# KiCad board panel.kicad_pcb (continued)
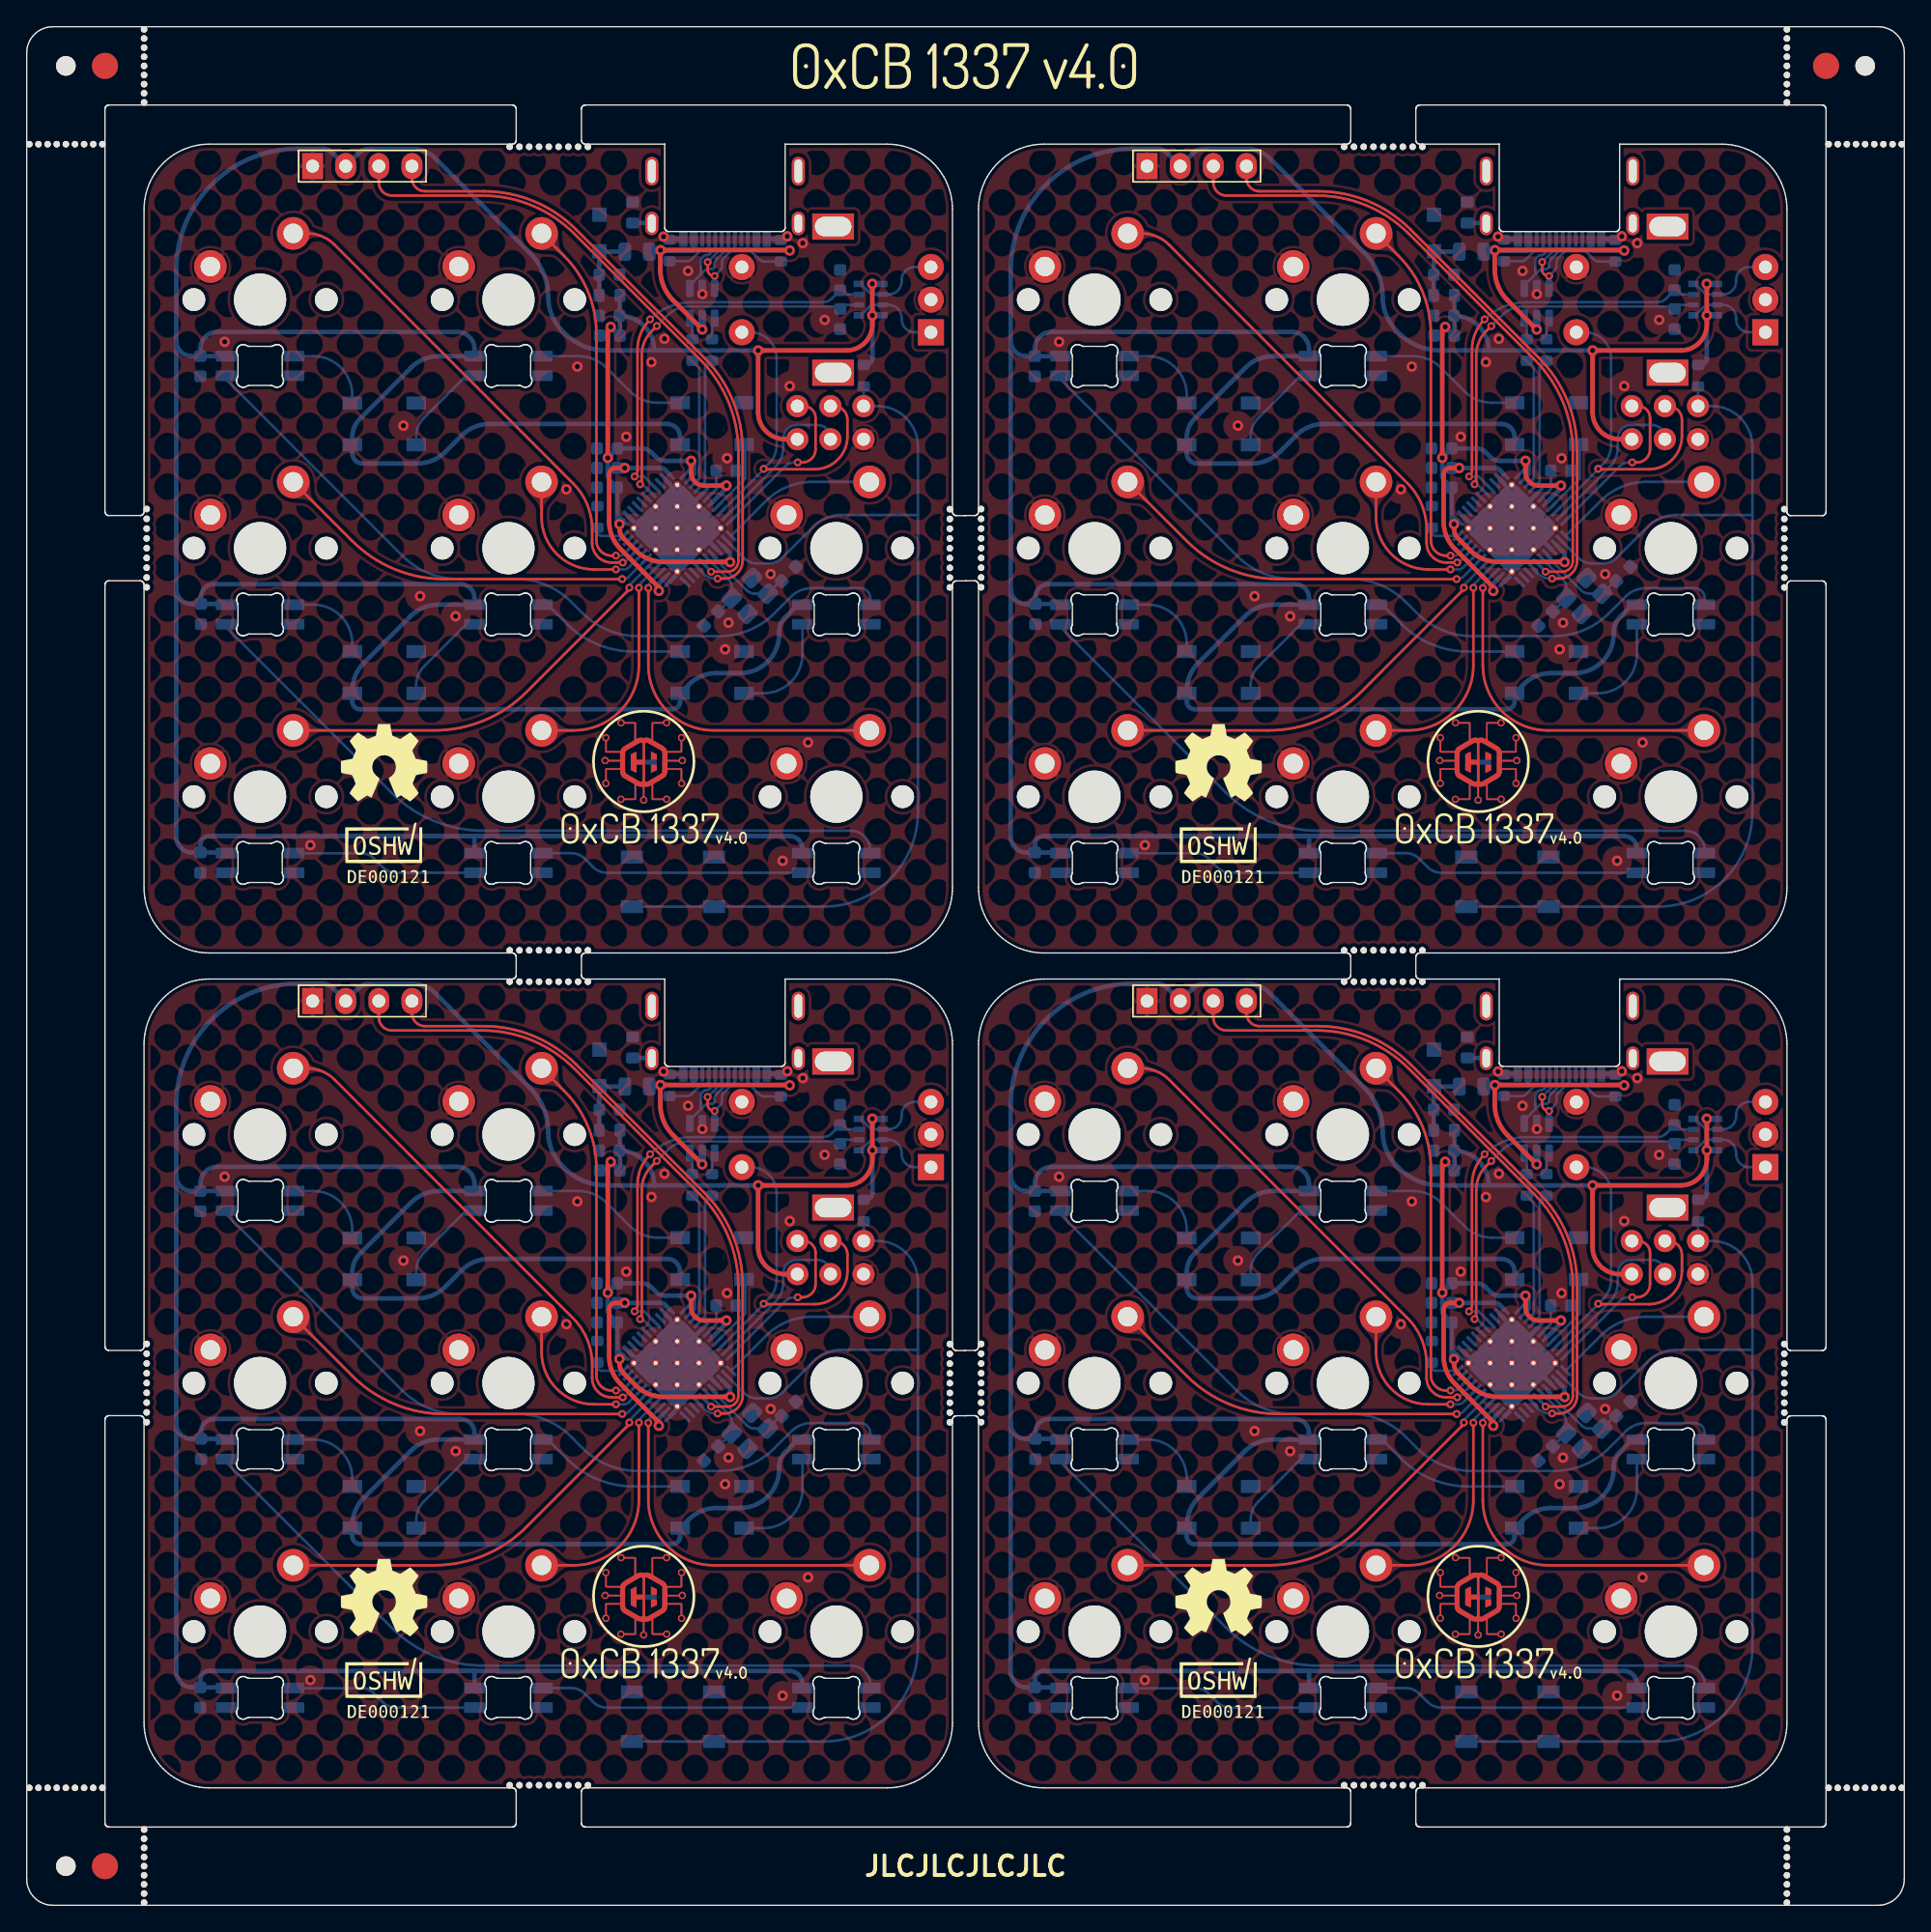
[diagram p0: board, top side]
## Routing (per net, layer and track width the routed paths; a pad name or vN(x,y) marks a point on that pad's centre or on a via; arc(x,y) is an arc through that point) (continued)
Board_1-/MCU+: length 10.2
  Bottom w0.2: R3#3.1 116.03,117.87 116.03,109.15 115.55,108.67 U3#3.4
Board_1-/MCU-: length 9.8
  Bottom w0.2: R4#2.1 115.58,117.87 115.58,109.34 115.23,108.99 U3#3.3
Board_1-D+: length 1.7
  Bottom w0.2: U2#3.4 116.56,121.46 R3#3.2
Board_1-D-: length 1.7
  Bottom w0.2: U2#3.6 115.05,121.47 R4#2.2
Board_1-EA: length 29.9
  Top w0.2: v2(111.04,108.93) 111.17,109.06 111.17,118.84 arc(111.37,119.82) 111.92,120.65 v2(112.33,121.06)
  Bottom w0.2: RN1#4.2 126.7,122.68 C4.1 126.35,122.41 arc(126.19,122.52) 125.99,122.55 114.75,122.55 arc(113.89,122.38) 113.17,121.9 v2(112.33,121.06) ; v2(111.04,108.93) 111.23,108.93 U3#3.40
Board_1-EB: length 31.2
  Top w0.2: v2(110.62,109.53) 110.7,109.6 arc(110.8,109.76) 110.84,109.96 110.84,119.23 arc(111.09,120.5) v2(111.81,121.57)
  Bottom w0.2: RN1#4.3 126.71,123.48 C2#4.1 125.73,123.15 arc(125.42,122.95) 125.07,122.88 114.97,122.88 arc(113.26,122.54) v2(111.81,121.57) ; v2(110.62,109.53) 111.35,109.53 U3#3.41
Board_1-GND: length 22.2
  Bottom w0.35: U3#3.5 113.89,106.27 U3#3.45 ; U3#3.23 113.3,101.44 113.89,102.03 U3#3.45 ; J1.A12 121.77,127.73 R1#3.1 ; U3#3.45 113.89,108.39 U3#3.43 ; U3#3.45 111.07,105.57 U3#3.35 ; U3#3.45 115.31,105.57 U3#3.15 ; R2.2 113.33,127.73 J1.A1
  vias: v1(79.18,119.85) v1(85.75,81.26) v1(92.89,113.42) v1(94.17,100.35) v1(96.9,98.81) v1(105.39,108.54) v1(106.23,117.95) v1(109.98,112.57) v1(111.91,118.29) v1(112.84,127.91) v1(112.91,120.08) v1(114.72,125.28) v1(115.82,123.51) v1(117.56,96.28) v1(117.71,110.93) v1(117.82,98.32) v1(121.05,102.05) v1(121.97,80.07) v1(122.33,127.93) v1(122.52,116.45) v1(123.52,127.41) v1(123.92,89.14) v1(125.2,121.53)
Board_1-MISO: length 13.2
  Top w0.2: v2(123.13,110.61) 123.5,110.61 arc(124.21,110.9) 124.5,111.61 124.5,114.02 arc(124.23,114.66) 123.6,114.92 J2.1
  Bottom w0.2: U3#3.11 122.18,110.31 arc(122.5,110.53) 122.88,110.61 v2(123.13,110.61)
Board_1-MOSI: length 12.5
  Bottom w0.2: U3#3.10 121.42,110.26 arc(121.86,110.93) 122.02,111.72 122.02,112.42 arc(122.33,113.16) 123.07,113.47 124.65,113.47 arc(125.35,113.18) 125.64,112.48 J2.4
Board_1-Net-(C1-Pad1): length 5.3
  Bottom w0.35: F1#2.2 107.96,126.76 D9#2.2 107.91,126.78 C1.1 107.91,123.43 FB2#2.1
Board_1-Net-(C9-Pad1): length 2.3
  Bottom w0.2: C9#3.1 116.89,108.56 U3#3.6
Board_1-Net-(C11-Pad2): length 7
  Bottom w0.2: C11.2 121.8,101.51 Y1#2.1 119.86,100.54 arc(119.51,100.61) 119.2,100.82 116.61,103.41 U3#3.16
Board_1-Net-(C13-Pad2): length 5.2
  Bottom w0.2: U3#3.17 117.84,101.62 arc(118.01,101.36) 118.08,101.05 Y1#2.3 117.06,99.17 C13#3.2
Board_1-Net-(D1-Pad2): length 59.2
  Bottom w0.2: D5#3.4 128.7,100.2 arc(128.47,100.74) 127.92,100.97 124.18,100.97 arc(123.34,100.8) 122.63,100.32 121.36,99.05 arc(119.41,97.75) 117.11,97.29 110.87,97.29 arc(108.57,97.75) 106.62,99.05 105.75,99.92 arc(103.81,101.22) 101.51,101.67 97.07,101.67 arc(94.77,102.13) 92.83,103.43 79.3,116.96 D1#4.2
Board_1-Net-(D1-Pad4): length 6.8
  Bottom w0.2: D1#4.4 85.97,118.75 arc(88.09,117.87) 88.97,115.75 D11.2
Board_1-Net-(D3-Pad2): length 56.7
  Bottom w0.2: D3#2.2 79.3,97.97 91.96,85.3 arc(95.21,83.13) 99.03,82.37 127.2,82.37 arc(128.26,81.93) 128.7,80.87 D8#2.4
Board_1-Net-(D6-Pad4): length 14.4
  Bottom w0.2: D6#2.4 84.51,80.64 89.73,80.64 arc(90.2,80.54) 90.59,80.28 91.28,79.59 arc(91.77,79.27) 92.34,79.15 D7#2.2
Board_1-Net-(D7-Pad4): length 20.4
  Bottom w0.2: D8#2.2 108.49,79.15 arc(107.92,79.27) 107.43,79.59 106.81,80.21 arc(106.32,80.54) 105.75,80.65 D7#2.4
Board_1-Net-(D10-Pad2): length 11.8
  Bottom w0.2: D10#4.2 112.39,115.18 arc(111.24,115.4) 110.27,116.05 108.45,117.87 arc(107.47,118.52) 106.33,118.75 D2.4
Board_1-Net-(D11-Pad4): length 7.4
  Bottom w0.2: D2.2 97.7,117.25 94.46,114.01 arc(94.02,113.36) 93.87,112.59 D11.4
Board_1-Net-(D12-Pad2): length 11.7
  Bottom w0.2: D4#2.4 103.95,99.7 105.43,98.22 arc(107.77,96.66) 110.53,96.11 D12#4.2
Board_1-Net-(D12-Pad4): length 8.5
  Bottom w0.2: D5#3.2 123.5,95.91 arc(122.62,93.79) 120.5,92.91 D12#4.4
Board_1-Net-(D13-Pad2): length 6.8
  Bottom w0.2: D3#2.4 85.97,99.7 arc(88.09,98.82) 88.97,96.7 D13#2.2
Board_1-Net-(D13-Pad4): length 7.4
  Bottom w0.2: D4#2.2 97.71,98.2 94.46,94.95 arc(94.02,94.3) 93.87,93.53 D13#2.4
Board_1-Net-(FB1-Pad2): length 1.5
  Bottom w0.35: FB1#2.2 111.91,128.96 J1.S1
Board_1-Net-(J1-PadA5): length 4.1
  Bottom w0.2: R2.1 114.64,126.03 arc(114.83,126.07) 114.99,126.18 115.59,126.78 arc(115.76,126.89) 115.95,126.92 116.19,126.92 116.31,127.05 J1.A5
Board_1-Net-(J1-PadA6): length 8
  Top w0.2: v2(116.76,124.89) 116.72,124.89 arc(116.37,125.04) 116.22,125.39 v2(116.22,125.97)
  Bottom w0.2: J1.A6 117.31,127.05 v2(116.22,125.97) ; U2#3.3 v2(116.76,124.89) 117.17,125.31 arc(117.28,125.47) 117.32,125.66 117.32,125.93 arc(117.36,126.12) 117.47,126.28 118.31,127.12 J1.B6
Board_1-Net-(J1-PadA7): length 8.8
  Bottom w0.2: 114.86,124.18 U2#3.1 114.86,124.18 ; 114.86,124.18 115.97,125.29 arc(116.13,125.4) 116.32,125.44 116.55,125.44 arc(116.69,125.5) 116.75,125.64 116.75,125.82 arc(116.79,126.01) 116.9,126.18 117.81,127.09 J1.A7 ; 115.7,125.02 115.7,126.06 arc(115.72,126.18) 115.78,126.27 115.92,126.41 arc(116.01,126.47) 116.13,126.49 116.16,126.49 arc(116.28,126.52) 116.38,126.58 116.81,127.01 J1.B7
Board_1-Net-(J1-PadB5): length 3.6
  Bottom w0.2: R1#3.2 120.56,126.01 arc(120.36,126.04) 120.2,126.15 119.31,127.05 J1.B5
Board_1-Net-(MX3-PadA): length 7.1
  Bottom w0.2: MX3#4.A 132.1,120.58 arc(131.39,120.88) 131.1,121.58 131.1,121.68 arc(130.81,122.39) 130.1,122.68 RN1#4.7 128.98,122.68 arc(128.79,122.64) 128.63,122.54 127.98,121.88 RN1#4.1
Board_1-Net-(MX3-PadB): length 7.1
  Bottom w0.2: RN1#4.4 127.98,124.28 128.63,123.63 arc(128.79,123.52) 128.98,123.48 RN1#4.6 130.1,123.48 arc(130.81,123.78) 131.1,124.48 131.1,124.58 arc(131.39,125.29) 132.1,125.58 MX3#4.B
Board_1-Net-(R6-Pad2): length 2.5
  Bottom w0.2: U3#3.33 108.08,104.97 arc(107.86,105.07) 107.76,105.29 R6#4.2
Board_1-RGB: length 5.7
  Bottom w0.2: U3#3.8 119.12,109.37 119.12,111.87 D10#4.4
Board_1-RST: length 78.2
  Bottom w0.2: 132.35,106.58 126.46,106.58 arc(125.31,106.35) 124.34,105.7 121.94,103.3 arc(121.45,102.97) 120.88,102.86 120.05,102.86 arc(119.48,102.97) 118.99,103.3 U3#3.13 ; R5.1 128.19,114.93 J2.5 129.24,114.92 arc(131.44,114.01) 132.35,111.81 132.35,83.8 arc(130.23,78.68) 125.1,76.55 SW1#3.2
Board_1-S1: length 39
  Top w0.2: MX1#4.2 85.5,128.16 arc(86.64,127.93) 87.62,127.28 105.9,109 arc(106.98,107.38) 107.36,105.47 107.36,104.43 arc(107.8,103.37) 108.86,102.93 109.71,102.93 v2(109.71,102.93)
  Bottom w0.2: v2(109.71,102.93) 109.85,102.93 U3#3.30
Board_1-S2: length 28.7
  Top w0.2: MX2#4.2 105.23,126.42 arc(107.05,123.69) 107.69,120.47 107.69,104.61 arc(108.03,103.8) 108.84,103.46 v2(109.2,103.46)
  Bottom w0.2: U3#3.31 109.81,103.61 arc(109.65,103.5) 109.46,103.46 v2(109.2,103.46)
Board_1-S3: length 28.2
  Top w0.2: J2.3 125.9,114.92 arc(126.64,114.62) 126.94,113.88 126.94,112.61 arc(126.2,110.82) 124.42,110.08 120.55,110.08 v2(120.52,110.11)
  Bottom w0.2: MX3#4.S2 119.51,120.58 arc(120.93,120) 121.51,118.58 121.51,111.93 arc(121.36,111.17) 120.93,110.52 v2(120.52,110.11) 120.52,110.07 U3#3.9
Board_1-S4: length 30.4
  Top w0.2: v2(109.67,101.66) 96.03,101.66 arc(92.2,102.42) 88.96,104.59 MX4.2
  Bottom w0.2: v2(109.67,101.66) 109.78,101.66 arc(109.97,101.7) 110.14,101.81 U3#3.28
Board_1-S5: length 13.1
  Top w0.2: v2(109.19,102.4) 109.19,102.4 107.49,102.4 arc(104.66,103.58) 103.49,106.41 MX5#4.2
  Bottom w0.2: v2(109.19,102.4) 109.82,102.4 arc(110.01,102.44) 110.17,102.55 U3#3.29
Board_1-S6: length 12.1
  Bottom w0.2: MX6#3.2 124.23,109.11 arc(122.32,108.73) 120.7,107.65 U3#3.12
Board_1-S7: length 32.5
  Top w0.2: MX7.2 95.25,90.06 arc(99.07,90.82) 102.32,92.99 110.22,100.89 v2(110.22,101.01)
  Bottom w0.2: U3#3.27 110.22,101.19 v2(110.22,101.01)
Board_1-S8: length 18.3
  Top w0.2: v2(110.95,101) 110.95,95.06 arc(109.48,91.53) 105.95,90.06 MX8#4.2
  Bottom w0.2: U3#3.26 111.1,101.35 arc(110.99,101.19) 110.95,101 v2(110.95,101)
Board_1-S9: length 27.3
  Top w0.2: MX9#3.2 116.68,90.06 arc(113.14,91.53) 111.68,95.06 v2(111.68,100.98)
  Bottom w0.2: v2(111.68,100.98) 111.68,101.02 arc(111.71,101.21) 111.82,101.37 U3#3.25
Board_1-SCL: length 50.9
  Top w0.2: U1#4.3 91,132.06 arc(91.3,131.35) 92,131.06 98.92,131.06 arc(102.75,130.3) 106,128.13 115.65,118.48 arc(117.82,115.23) 118.58,111.41 118.58,103.04 arc(118.34,102.47) 117.77,102.23 v2(116.49,102.23)
  Bottom w0.2: U3#3.18 115.9,102.81 v2(116.49,102.23)
Board_1-SDA: length 49.6
  Top w0.2: U1#4.4 93.54,132.39 arc(93.84,131.68) 94.54,131.39 99.06,131.39 arc(102.89,130.63) 106.13,128.46 115.98,118.61 arc(118.15,115.37) 118.91,111.54 118.91,103.09 arc(118.5,102.11) 117.52,101.7 116.99,101.7 v2(116.99,101.7)
  Bottom w0.2: U3#3.19 115.55,102.42 115.86,102.1 arc(116.31,101.8) 116.84,101.7 v2(116.99,101.7)
Board_1-VCC: length 403.2
  Top w0.35: v1(128.85,124.29) 128.85,121.88 v1(128.86,121.87) 128.86,121.19 arc(128.27,119.77) 126.86,119.19 v1(120.09,119.19) 120.09,114.46 arc(120.7,112.99) 122.17,112.38 J2.2 ; v1(117.66,108.83) 115.95,108.83 arc(115.24,109.12) 114.95,109.83 v1(114.95,110.73) ; v1(112.48,100.76) 112.48,101.03 109.54,103.97 arc(108.89,104.94) 108.66,106.09 108.66,109.68 arc(108.81,110.03) 109.16,110.18 v1(109.86,110.18) ; v1(109.46,105.88) 109.46,105.51 arc(109.54,105.13) 109.76,104.8 110.71,103.85 arc(111.68,103.2) 112.83,102.98 117.93,102.98 v1(117.95,102.96) ; v1(108.79,120.99) 108.56,120.77 v1(108.56,110.95)
  Bottom w0.25: v1(114.95,110.73) 115.21,110.46 115.21,109.71 U3#3.2
  Bottom w0.35: D7#2.1 98.35,81.97 97.03,81.97 ; C12#2.1 79.25,99.75 D3#2.1 ; C12#2.1 77.36,100.28 arc(77.65,100.98) 78.35,101.27 97.28,101.27 arc(98.03,100.96) 98.35,100.21 D4#2.1 95.56,99.7 arc(94.41,99.47) 93.44,98.82 89.85,95.23 arc(89.2,94.26) 88.97,93.11 D13#2.1 88.97,92.29 arc(89.15,91.86) 89.58,91.68 113.51,91.68 arc(113.94,91.86) 114.11,92.28 D12#4.1 114.78,93.57 arc(115.75,94.22) 116.9,94.45 118.71,94.45 arc(120.83,95.33) 121.71,97.45 121.71,97.65 arc(121.82,98.22) 122.15,98.71 123.14,99.7 D5#3.1 ; C12#2.1 76.64,99.75 arc(75.81,100.1) 75.47,100.93 ; v1(114.95,110.73) 112.96,110.73 arc(112.58,110.8) 112.25,111.02 111.89,111.38 arc(111.56,111.6) 111.18,111.68 C7#4.1 v1(108.56,110.95) 108.56,110.18 ; 97.03,81.97 78.02,81.97 arc(77.52,81.76) 77.31,81.26 C14#2.1 ; 97.03,81.97 122.5,81.97 arc(123.2,81.67) 123.5,80.97 D8#2.1 ; v1(128.85,124.29) 128.86,124.28 RN1#4.5 ; 108.56,110.18 108.56,109.58 arc(108.6,109.39) 108.71,109.23 109.26,108.68 C10.1 109.29,106.05 v1(109.46,105.88) 109.75,106.16 U3#3.34 ; 108.56,110.18 C8#4.1 v1(109.86,110.18) 112.61,110.18 arc(112.8,110.14) 112.96,110.03 113.3,109.69 U3#3.44 ; R5.2 128.36,118.08 arc(128.71,118.22) 128.86,118.58 v1(128.86,121.87) 129.62,121.87 RN1#4.8 ; v1(108.79,120.99) 109.46,120.33 C5#2.1 109.49,121.83 C3#3.1 ; C6#2.1 79.29,118.75 D1#4.1 ; C6#2.1 77.31,119.31 arc(77.69,120.23) 78.61,120.61 97.02,120.61 arc(97.96,120.22) 98.35,119.28 D2.1 95.6,118.75 arc(94.45,118.52) 93.48,117.87 89.56,113.95 arc(89.12,113.3) 88.97,112.53 D11.1 88.97,111.31 arc(89.2,110.75) 89.76,110.52 93.97,110.52 arc(95.12,110.75) 96.09,111.4 97.36,112.67 arc(98.33,113.32) 99.48,113.55 113.11,113.55 arc(113.82,113.26) 114.11,112.55 D10#4.1 ; C6#2.1 76.65,118.75 arc(75.81,119.1) 75.47,119.93 ; D6#2.1 79.25,80.7 C14#2.1 ; C14#2.1 76.67,80.7 arc(75.82,81.05) 75.47,81.91 75.47,100.93 ; v1(112.48,100.76) 112.48,101.11 arc(112.52,101.31) 112.62,101.47 U3#3.24 ; U3#3.14 117.8,103.78 arc(117.91,103.62) 117.95,103.43 v1(117.95,102.96) ; 75.47,100.93 75.47,119.93 ; v1(117.66,108.83) 117.66,108.63 116.61,107.57 U3#3.7 ; 75.47,119.93 75.47,125.33 arc(78.19,131.92) 84.78,134.65 86.72,134.65 arc(87.1,134.57) 87.43,134.35 U1#4.2 89.47,134.33 arc(89.8,134.54) 90.18,134.62 93.66,134.62 arc(94.56,134.44) 95.32,133.93 102.6,126.66 arc(103.63,125.11) 103.99,123.28 arc(104.27,121.87) 105.07,120.68 105.27,120.49 arc(106.71,119.52) 108.4,119.19 112.13,119.19 ; 112.13,119.19 v1(120.09,119.19) ; 112.13,119.19 arc(111.35,121.07) C3#3.1 ; C3#3.1 109.5,121.89 FB2#2.2
Board_2-/MCU+: length 10.2
  Bottom w0.2: R3.1 52.03,53.87 52.03,45.15 51.55,44.67 U3#4.4
Board_2-/MCU-: length 9.8
  Bottom w0.2: U3#4.3 51.23,44.99 51.58,45.34 51.58,53.87 R4#4.1
Board_2-D+: length 1.7
  Bottom w0.2: U2.4 52.56,57.46 R3.2
Board_2-D-: length 1.7
  Bottom w0.2: U2.6 51.05,57.47 R4#4.2
Board_2-EA: length 29.9
  Top w0.2: v2(48.33,57.06) 47.92,56.65 arc(47.37,55.82) 47.17,54.84 47.17,45.06 v2(47.04,44.93)
  Bottom w0.2: v2(47.04,44.93) 47.23,44.93 U3#4.40 ; RN1#3.2 62.7,58.68 C4#4.1 62.35,58.41 arc(62.19,58.52) 61.99,58.55 50.75,58.55 arc(49.89,58.38) 49.17,57.9 v2(48.33,57.06)
Board_2-EB: length 31.2
  Top w0.2: v2(46.62,45.53) 46.7,45.6 arc(46.8,45.76) 46.84,45.96 46.84,55.23 arc(47.09,56.5) v2(47.81,57.57)
  Bottom w0.2: RN1#3.3 62.71,59.48 C2.1 61.73,59.15 arc(61.42,58.95) 61.07,58.88 50.97,58.88 arc(49.26,58.54) v2(47.81,57.57) ; U3#4.41 47.35,45.53 v2(46.62,45.53)
Board_2-GND: length 22.2
  Bottom w0.35: R1#4.1 57.77,63.73 J1#3.A12 ; U3#4.23 49.3,37.44 49.89,38.03 U3#4.45 ; U3#4.45 51.31,41.57 U3#4.15 ; U3#4.45 47.07,41.57 U3#4.35 ; U3#4.45 49.89,42.27 U3#4.5 ; U3#4.45 49.89,44.39 U3#4.43 ; R2#3.2 49.33,63.73 J1#3.A1
  vias: v1(15.18,55.85) v1(21.75,17.26) v1(28.89,49.42) v1(30.17,36.35) v1(32.9,34.81) v1(41.39,44.54) v1(42.23,53.95) v1(45.98,48.57) v1(47.91,54.29) v1(48.84,63.91) v1(48.91,56.08) v1(50.72,61.28) v1(51.82,59.51) v1(53.56,32.28) v1(53.71,46.93) v1(53.82,34.32) v1(57.05,38.05) v1(57.97,16.07) v1(58.33,63.93) v1(58.52,52.45) v1(59.52,63.41) v1(59.92,25.14) v1(61.2,57.53)
Board_2-MISO: length 13.2
  Top w0.2: v2(59.13,46.61) 59.5,46.61 arc(60.21,46.9) 60.5,47.61 60.5,50.02 arc(60.23,50.66) 59.6,50.92 J2#2.1
  Bottom w0.2: v2(59.13,46.61) 58.88,46.61 arc(58.5,46.53) 58.18,46.31 U3#4.11
Board_2-MOSI: length 12.5
  Bottom w0.2: U3#4.10 57.42,46.26 arc(57.86,46.93) 58.02,47.72 58.02,48.42 arc(58.33,49.16) 59.07,49.47 60.65,49.47 arc(61.35,49.18) 61.64,48.48 J2#2.4
Board_2-Net-(C1-Pad1): length 5.3
  Bottom w0.35: F1#3.2 43.96,62.76 D9#4.2 43.91,62.78 C1#4.1 43.91,59.43 FB2.1
Board_2-Net-(C9-Pad1): length 2.3
  Bottom w0.2: C9.1 52.89,44.56 U3#4.6
Board_2-Net-(C11-Pad2): length 7
  Bottom w0.2: U3#4.16 52.61,39.41 55.2,36.82 arc(55.51,36.61) 55.86,36.54 Y1#4.1 57.8,37.51 C11#3.2
Board_2-Net-(C13-Pad2): length 5.2
  Bottom w0.2: C13#4.2 53.06,35.17 Y1#4.3 54.08,37.05 arc(54.01,37.36) 53.84,37.62 U3#4.17
Board_2-Net-(D1-Pad2): length 59.2
  Bottom w0.2: D5#4.4 64.7,36.2 arc(64.47,36.74) 63.92,36.97 60.18,36.97 arc(59.34,36.8) 58.63,36.32 57.36,35.05 arc(55.41,33.75) 53.11,33.29 46.87,33.29 arc(44.57,33.75) 42.62,35.05 41.75,35.92 arc(39.81,37.22) 37.51,37.67 33.07,37.67 arc(30.77,38.13) 28.83,39.43 15.3,52.96 D1.2
Board_2-Net-(D1-Pad4): length 6.8
  Bottom w0.2: D11#4.2 24.97,51.75 arc(24.09,53.87) 21.97,54.75 D1.4
Board_2-Net-(D3-Pad2): length 56.7
  Bottom w0.2: D8#3.4 64.7,16.87 arc(64.26,17.93) 63.2,18.37 35.03,18.37 arc(31.21,19.13) 27.96,21.3 15.3,33.97 D3#3.2
Board_2-Net-(D6-Pad4): length 14.4
  Bottom w0.2: D6#3.4 20.51,16.64 25.73,16.64 arc(26.2,16.54) 26.59,16.28 27.28,15.59 arc(27.77,15.27) 28.34,15.15 D7#4.2
Board_2-Net-(D7-Pad4): length 20.4
  Bottom w0.2: D7#4.4 41.75,16.65 arc(42.32,16.54) 42.81,16.21 43.43,15.59 arc(43.92,15.27) 44.49,15.15 D8#3.2
Board_2-Net-(D10-Pad2): length 11.8
  Bottom w0.2: D10.2 48.39,51.18 arc(47.24,51.4) 46.27,52.05 44.45,53.87 arc(43.47,54.52) 42.33,54.75 D2#4.4
Board_2-Net-(D11-Pad4): length 7.4
  Bottom w0.2: D11#4.4 29.87,48.59 arc(30.02,49.36) 30.46,50.01 33.7,53.25 D2#4.2
Board_2-Net-(D12-Pad2): length 11.7
  Bottom w0.2: D12#3.2 46.53,32.11 arc(43.77,32.66) 41.43,34.22 39.95,35.7 D4#4.4
Board_2-Net-(D12-Pad4): length 8.5
  Bottom w0.2: D5#4.2 59.5,31.91 arc(58.62,29.79) 56.5,28.91 D12#3.4
Board_2-Net-(D13-Pad2): length 6.8
  Bottom w0.2: D13#4.2 24.97,32.7 arc(24.09,34.82) 21.97,35.7 D3#3.4
Board_2-Net-(D13-Pad4): length 7.4
  Bottom w0.2: D4#4.2 33.71,34.2 30.46,30.95 arc(30.02,30.3) 29.87,29.53 D13#4.4
Board_2-Net-(FB1-Pad2): length 1.5
  Bottom w0.35: J1#3.S1 47.91,64.96 FB1#4.2
Board_2-Net-(J1-PadA5): length 4.1
  Bottom w0.2: J1#3.A5 52.31,63.05 52.19,62.92 51.95,62.92 arc(51.76,62.89) 51.59,62.78 50.99,62.18 arc(50.83,62.07) 50.64,62.03 R2#3.1
Board_2-Net-(J1-PadA6): length 8
  Top w0.2: v2(52.22,61.97) 52.22,61.39 arc(52.37,61.04) 52.72,60.89 v2(52.76,60.89)
  Bottom w0.2: v2(52.22,61.97) 53.31,63.05 J1#3.A6 ; J1#3.B6 54.31,63.12 53.47,62.28 arc(53.36,62.12) 53.32,61.93 53.32,61.66 arc(53.28,61.47) 53.17,61.31 v2(52.76,60.89) U2.3
Board_2-Net-(J1-PadA7): length 8.8
  Bottom w0.2: 50.86,60.18 U2.1 50.86,60.18 ; 50.86,60.18 51.97,61.29 arc(52.13,61.4) 52.32,61.44 52.55,61.44 arc(52.69,61.5) 52.75,61.64 52.75,61.82 arc(52.79,62.01) 52.9,62.18 53.81,63.09 J1#3.A7 ; 51.7,61.02 51.7,62.06 arc(51.72,62.18) 51.78,62.27 51.92,62.41 arc(52.01,62.47) 52.13,62.49 52.16,62.49 arc(52.28,62.52) 52.38,62.58 52.81,63.01 J1#3.B7
Board_2-Net-(J1-PadB5): length 3.6
  Bottom w0.2: R1#4.2 56.56,62.01 arc(56.36,62.04) 56.2,62.15 55.31,63.05 J1#3.B5
Board_2-Net-(MX3-PadA): length 7.1
  Bottom w0.2: RN1#3.1 63.98,57.88 64.63,58.54 arc(64.79,58.64) 64.98,58.68 RN1#3.7 66.1,58.68 arc(66.81,58.39) 67.1,57.68 67.1,57.58 arc(67.39,56.88) 68.1,56.58 MX3#2.A
Board_2-Net-(MX3-PadB): length 7.1
  Bottom w0.2: MX3#2.B 68.1,61.58 arc(67.39,61.29) 67.1,60.58 67.1,60.48 arc(66.81,59.78) 66.1,59.48 RN1#3.6 64.98,59.48 arc(64.79,59.52) 64.63,59.63 63.98,60.28 RN1#3.4
Board_2-Net-(R6-Pad2): length 2.5
  Bottom w0.2: R6.2 43.76,41.29 arc(43.86,41.07) 44.08,40.97 U3#4.33
Board_2-RGB: length 5.7
  Bottom w0.2: U3#4.8 55.12,45.37 55.12,47.87 D10.4
Board_2-RST: length 78.2
  Bottom w0.2: U3#4.13 54.99,39.3 arc(55.48,38.97) 56.05,38.86 56.88,38.86 arc(57.45,38.97) 57.94,39.3 60.34,41.7 arc(61.31,42.35) 62.46,42.58 68.35,42.58 ; R5#4.1 64.19,50.93 J2#2.5 65.24,50.92 arc(67.44,50.01) 68.35,47.81 68.35,19.8 arc(66.23,14.68) 61.1,12.55 SW1#2.2
Board_2-S1: length 39
  Top w0.2: MX1.2 21.5,64.16 arc(22.64,63.93) 23.62,63.28 41.9,45 arc(42.98,43.38) 43.36,41.47 43.36,40.43 arc(43.8,39.37) 44.86,38.93 45.71,38.93 v2(45.71,38.93)
  Bottom w0.2: U3#4.30 45.85,38.93 v2(45.71,38.93)
Board_2-S2: length 28.7
  Top w0.2: MX2.2 41.23,62.42 arc(43.05,59.69) 43.69,56.47 43.69,40.61 arc(44.03,39.8) 44.84,39.46 v2(45.2,39.46)
  Bottom w0.2: v2(45.2,39.46) 45.46,39.46 arc(45.65,39.5) 45.81,39.61 U3#4.31
Board_2-S3: length 28.2
  Top w0.2: v2(56.52,46.11) 56.55,46.08 60.42,46.08 arc(62.2,46.82) 62.94,48.61 62.94,49.88 arc(62.64,50.62) 61.9,50.92 J2#2.3
  Bottom w0.2: MX3#2.S2 55.51,56.58 arc(56.93,56) 57.51,54.58 57.51,47.93 arc(57.36,47.17) 56.93,46.52 v2(56.52,46.11) 56.52,46.07 U3#4.9
Board_2-S4: length 30.4
  Top w0.2: v2(45.67,37.66) 32.03,37.66 arc(28.2,38.42) 24.96,40.59 MX4#4.2
  Bottom w0.2: U3#4.28 46.14,37.81 arc(45.97,37.7) 45.78,37.66 v2(45.67,37.66)
Board_2-S5: length 13.1
  Top w0.2: MX5#3.2 39.49,42.41 arc(40.66,39.58) 43.49,38.4 45.19,38.4 v2(45.19,38.4)
  Bottom w0.2: U3#4.29 46.17,38.55 arc(46.01,38.44) 45.82,38.4 v2(45.19,38.4)
Board_2-S6: length 12.1
  Bottom w0.2: U3#4.12 56.7,43.65 arc(58.32,44.73) 60.23,45.11 MX6.2
Board_2-S7: length 32.5
  Top w0.2: v2(46.22,37.01) 46.22,36.89 38.32,28.99 arc(35.07,26.82) 31.25,26.06 MX7#4.2
  Bottom w0.2: v2(46.22,37.01) 46.22,37.19 U3#4.27
Board_2-S8: length 18.3
  Top w0.2: v2(46.95,37) 46.95,31.06 arc(45.48,27.53) 41.95,26.06 MX8.2
  Bottom w0.2: v2(46.95,37) 46.95,37 arc(46.99,37.19) 47.1,37.35 U3#4.26
Board_2-S9: length 27.3
  Top w0.2: v2(47.68,36.98) 47.68,31.06 arc(49.14,27.53) 52.68,26.06 MX9.2
  Bottom w0.2: U3#4.25 47.82,37.37 arc(47.71,37.21) 47.68,37.02 v2(47.68,36.98)
Board_2-SCL: length 50.9
  Top w0.2: v2(52.49,38.23) 53.77,38.23 arc(54.34,38.47) 54.58,39.04 54.58,47.41 arc(53.82,51.23) 51.65,54.48 42,64.13 arc(38.75,66.3) 34.92,67.06 28,67.06 arc(27.3,67.35) 27,68.06 U1.3
  Bottom w0.2: U3#4.18 51.9,38.81 v2(52.49,38.23)
Board_2-SDA: length 49.6
  Top w0.2: U1.4 29.54,68.39 arc(29.84,67.68) 30.54,67.39 35.06,67.39 arc(38.89,66.63) 42.13,64.46 51.98,54.61 arc(54.15,51.37) 54.91,47.54 54.91,39.09 arc(54.5,38.11) 53.52,37.7 52.99,37.7 v2(52.99,37.7)
  Bottom w0.2: v2(52.99,37.7) 52.84,37.7 arc(52.31,37.8) 51.86,38.1 51.55,38.42 U3#4.19
Board_2-VCC: length 403.2
  Top w0.35: v1(45.86,46.18) 45.16,46.18 arc(44.81,46.03) 44.66,45.68 44.66,42.09 arc(44.89,40.94) 45.54,39.97 48.48,37.03 v1(48.48,36.76) ; J2#2.2 58.17,48.38 arc(56.7,48.99) 56.09,50.46 v1(56.09,55.19) 62.86,55.19 arc(64.27,55.77) 64.86,57.19 v1(64.86,57.87) 64.85,57.88 v1(64.85,60.29) ; v1(44.56,46.95) 44.56,56.77 v1(44.79,56.99) ; v1(53.95,38.96) 53.93,38.98 48.83,38.98 arc(47.68,39.2) 46.71,39.85 45.76,40.8 arc(45.54,41.13) 45.46,41.51 v1(45.46,41.88) ; v1(53.66,44.83) 51.95,44.83 arc(51.24,45.12) 50.95,45.83 v1(50.95,46.73)
  Bottom w0.25: v1(50.95,46.73) 51.21,46.46 51.21,45.71 U3#4.2
  Bottom w0.35: U3#4.44 49.3,45.69 48.96,46.03 arc(48.8,46.14) 48.61,46.18 v1(45.86,46.18) C8.1 44.56,46.18 ; D5#4.1 59.14,35.7 58.15,34.71 arc(57.82,34.22) 57.71,33.65 57.71,33.45 arc(56.83,31.33) 54.71,30.45 52.9,30.45 arc(51.75,30.22) 50.78,29.57 D12#3.1 50.11,28.28 arc(49.94,27.86) 49.51,27.68 25.58,27.68 arc(25.15,27.86) 24.97,28.29 D13#4.1 24.97,29.11 arc(25.2,30.26) 25.85,31.23 29.44,34.82 arc(30.41,35.47) 31.56,35.7 D4#4.1 34.35,36.21 arc(34.03,36.96) 33.28,37.27 14.35,37.27 arc(13.65,36.98) 13.36,36.28 C12.1 ; 44.56,46.18 v1(44.56,46.95) C7#2.1 47.18,47.68 arc(47.56,47.6) 47.89,47.38 48.25,47.02 arc(48.58,46.8) 48.96,46.73 v1(50.95,46.73) ; 44.56,46.18 44.56,45.58 arc(44.6,45.39) 44.71,45.23 45.26,44.68 C10#3.1 45.29,42.05 v1(45.46,41.88) 45.75,42.16 U3#4.34 ; 33.03,17.97 14.02,17.97 arc(13.52,17.76) 13.31,17.26 C14#3.1 ; 33.03,17.97 34.35,17.97 D7#4.1 ; 33.03,17.97 58.5,17.97 arc(59.2,17.67) 59.5,16.97 D8#3.1 ; R5#4.2 64.36,54.08 arc(64.71,54.22) 64.86,54.58 v1(64.86,57.87) 65.62,57.87 RN1#3.8 ; v1(53.66,44.83) 53.66,44.63 52.61,43.57 U3#4.7 ; D6#3.1 15.25,16.7 C14#3.1 ; C3#2.1 45.5,57.89 FB2.2 ; C3#2.1 45.49,57.83 C5#4.1 45.46,56.33 v1(44.79,56.99) ; C3#2.1 arc(47.35,57.07) 48.13,55.19 ; C6.1 15.29,54.75 D1.1 ; C6.1 12.65,54.75 arc(11.81,55.1) 11.47,55.93 ; C6.1 13.31,55.31 arc(13.69,56.23) 14.61,56.61 33.02,56.61 arc(33.96,56.22) 34.35,55.28 D2#4.1 31.6,54.75 arc(30.45,54.52) 29.48,53.87 25.56,49.95 arc(25.12,49.3) 24.97,48.53 D11#4.1 24.97,47.31 arc(25.2,46.75) 25.76,46.52 29.97,46.52 arc(31.12,46.75) 32.09,47.4 33.36,48.67 arc(34.33,49.32) 35.48,49.55 49.11,49.55 arc(49.82,49.26) 50.11,48.55 D10.1 ; U3#4.14 53.8,39.78 arc(53.91,39.62) 53.95,39.43 v1(53.95,38.96) ; v1(56.09,55.19) 48.13,55.19 ; 48.13,55.19 44.4,55.19 arc(42.71,55.52) 41.27,56.49 41.07,56.68 arc(40.27,57.87) 39.99,59.28 arc(39.63,61.11) 38.6,62.66 31.32,69.93 arc(30.56,70.44) 29.66,70.62 26.18,70.62 arc(25.8,70.54) 25.47,70.33 U1.2 23.43,70.35 arc(23.1,70.57) 22.72,70.65 20.78,70.65 arc(14.19,67.92) 11.47,61.33 11.47,55.93 ; C12.1 15.25,35.75 D3#3.1 ; C12.1 12.64,35.75 arc(11.81,36.1) 11.47,36.93 ; 11.47,36.93 11.47,55.93 ; 11.47,36.93 11.47,17.91 arc(11.82,17.05) 12.67,16.7 C14#3.1 ; v1(64.85,60.29) 64.86,60.28 RN1#3.5 ; U3#4.24 48.62,37.47 arc(48.52,37.31) 48.48,37.11 v1(48.48,36.76)
Board_3-/MCU+: length 10.2
  Bottom w0.2: R3#2.1 116.03,53.87 116.03,45.15 115.55,44.67 U3#2.4
Board_3-/MCU-: length 9.8
  Bottom w0.2: R4.1 115.58,53.87 115.58,45.34 115.23,44.99 U3#2.3
Board_3-D+: length 1.7
  Bottom w0.2: U2#4.4 116.56,57.46 R3#2.2
Board_3-D-: length 1.7
  Bottom w0.2: U2#4.6 115.05,57.47 R4.2
Board_3-EA: length 29.9
  Top w0.2: v2(111.04,44.93) 111.17,45.06 111.17,54.84 arc(111.37,55.82) 111.92,56.65 v2(112.33,57.06)
  Bottom w0.2: v2(111.04,44.93) 111.23,44.93 U3#2.40 ; RN1#2.2 126.7,58.68 C4#2.1 126.35,58.41 arc(126.19,58.52) 125.99,58.55 114.75,58.55 arc(113.89,58.38) 113.17,57.9 v2(112.33,57.06)
Board_3-EB: length 31.2
  Top w0.2: v2(110.62,45.53) 110.7,45.6 arc(110.8,45.76) 110.84,45.96 110.84,55.23 arc(111.09,56.5) v2(111.81,57.57)
  Bottom w0.2: RN1#2.3 126.71,59.48 C2#2.1 125.73,59.15 arc(125.42,58.95) 125.07,58.88 114.97,58.88 arc(113.26,58.54) v2(111.81,57.57) ; v2(110.62,45.53) 111.35,45.53 U3#2.41
Board_3-GND: length 22.2
  Bottom w0.35: U3#2.5 113.89,42.27 U3#2.45 ; U3#2.35 111.07,41.57 U3#2.45 ; U3#2.45 113.89,38.03 113.3,37.44 U3#2.23 ; U3#2.45 113.89,44.39 U3#2.43 ; U3#2.45 115.31,41.57 U3#2.15 ; J1#4.A1 113.33,63.73 R2#2.2 ; J1#4.A12 121.77,63.73 R1#2.1
  vias: v1(79.18,55.85) v1(85.75,17.26) v1(92.89,49.42) v1(94.17,36.35) v1(96.9,34.81) v1(105.39,44.54) v1(106.23,53.95) v1(109.98,48.57) v1(111.91,54.29) v1(112.84,63.91) v1(112.91,56.08) v1(114.72,61.28) v1(115.82,59.51) v1(117.56,32.28) v1(117.71,46.93) v1(117.82,34.32) v1(121.05,38.05) v1(121.97,16.07) v1(122.33,63.93) v1(122.52,52.45) v1(123.52,63.41) v1(123.92,25.14) v1(125.2,57.53)